# KiCad board CONTROLLER2.kicad_pcb
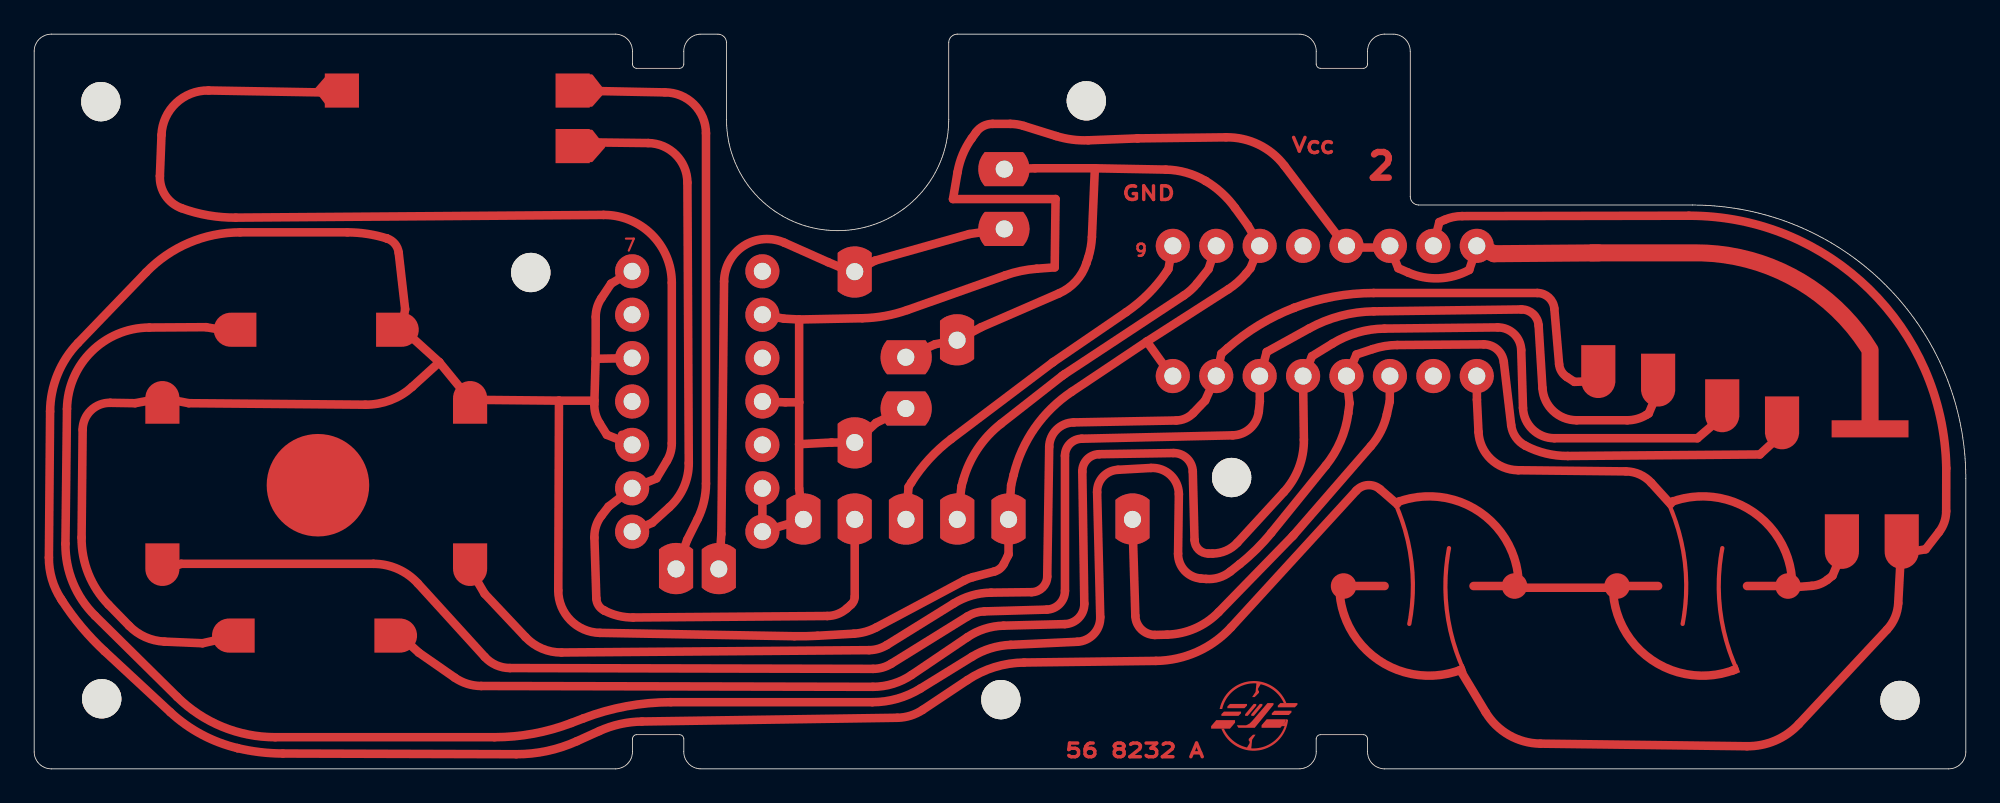
[diagram p0: board, top side]
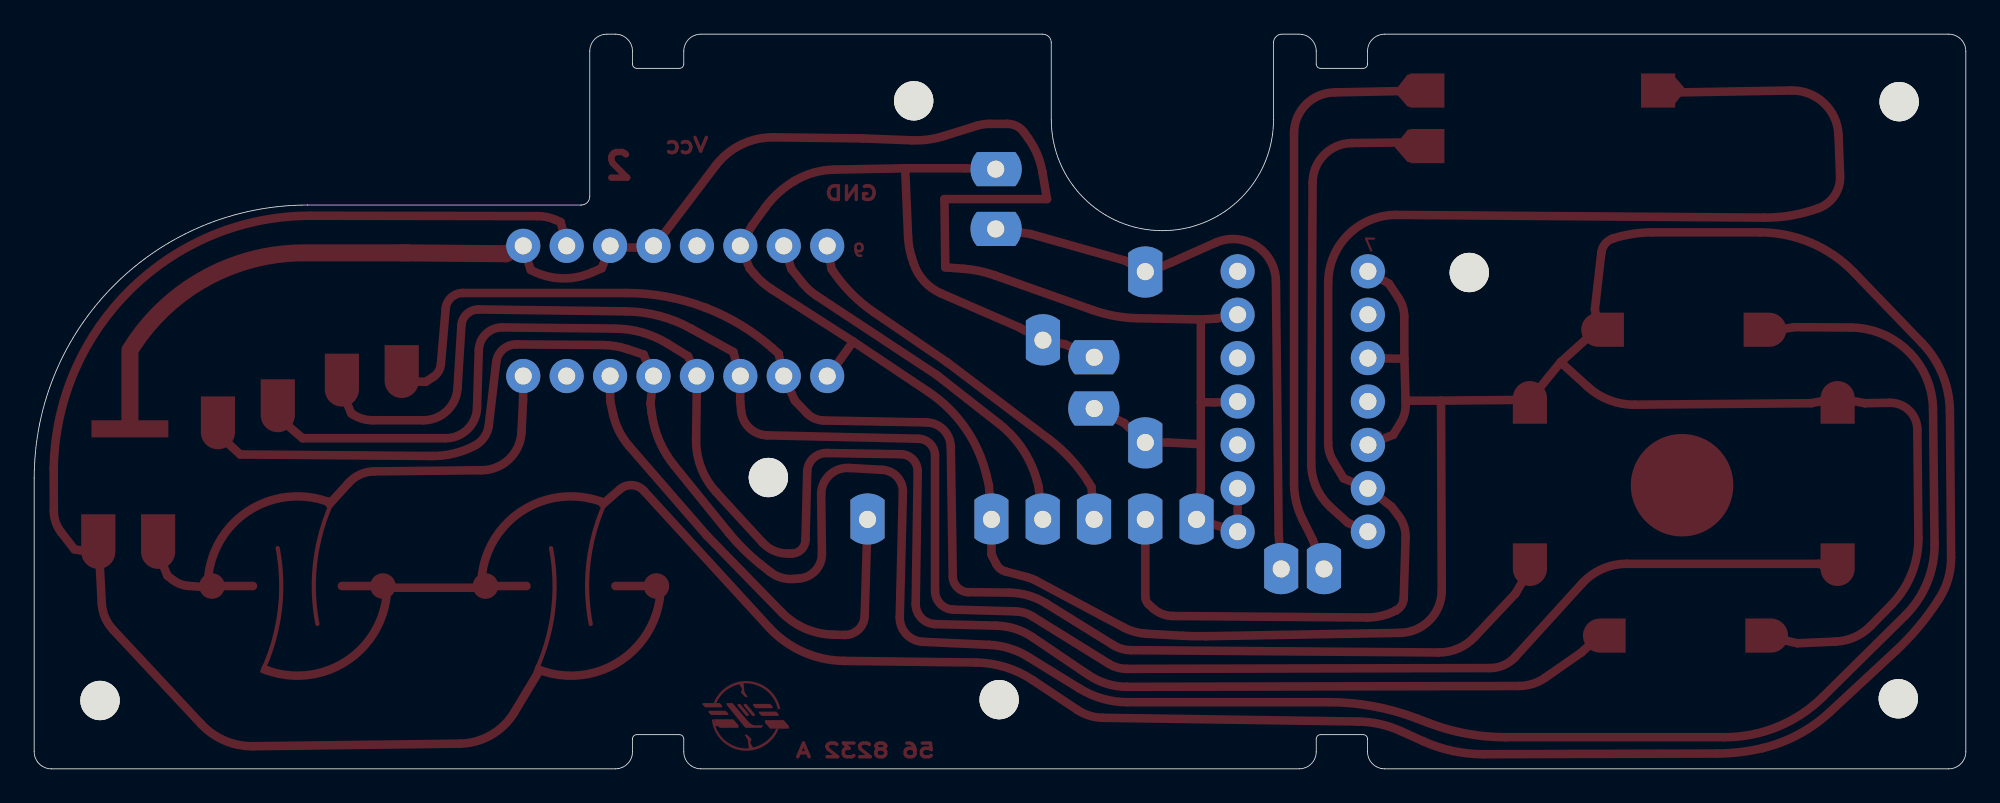
[diagram p1: board, bottom side, seen from below]

Outline 113 x 43 mm; copper layers: Top, Bottom. Coordinates in mm from the lower left corner of the outline.
Outline path: 0,42 0,1 arc(0.29,0.29) 1,0 34,0 arc(34.71,0.29) 35,1 35,1.75 arc(35.07,1.93) 35.25,2 37.75,2 arc(37.93,1.93) 38,1.75 38,1 arc(38.29,0.29) 39,0 74,0 arc(74.71,0.29) 75,1 75,1.75 arc(75.07,1.93) 75.25,2 77.75,2 arc(77.93,1.93) 78,1.75 78,1 arc(78.29,0.29) 79,0 112,0 arc(112.71,0.29) 113,1 113,17 arc(108.31,28.31) 97,33 81,33 arc(80.65,33.15) 80.5,33.5 80.5,42 arc(80.21,42.71) 79.5,43 79,43 arc(78.29,42.71) 78,42 78,41.25 arc(77.93,41.07) 77.75,41 75.25,41 arc(75.07,41.07) 75,41.25 75,42 arc(74.71,42.71) 74,43 54,43 arc(53.65,42.85) 53.5,42.5 53.5,38 arc(47,31.5) 40.5,38 40.5,42.5 arc(40.35,42.85) 40,43 39,43 arc(38.29,42.71) 38,42 38,41.25 arc(37.93,41.07) 37.75,41 35.25,41 arc(35.07,41.07) 35,41.25 35,42 arc(34.71,42.71) 34,43 1,43 arc(0.29,42.71) 0,42
Stack: Top 0.035mm / dielectric 1.51mm FR4 er 4.5 / Bottom 0.035mm

## Placement (name value [footprint] x y rotation side)
C1  0.33uF  [MIC_CAP]  40.05 11.7 90 top
C2  C  [BYPASS_CAP]  50.99 21.09 0 top  (not fitted)
H1  MountingHole  [HOLE]  3.9 39.05 0 top
H2  MountingHole  [HOLE]  3.95 4.1 0 top
H3  MountingHole  [HOLE]  29.05 29.05 0 top
H4  MountingHole  [HOLE]  56.55 4.05 0 top
H5  MountingHole  [HOLE]  61.55 39.1 0 top
H6  MountingHole  [HOLE]  70.05 17.05 0 top
H7  MountingHole  [HOLE]  109.15 4 0 top
MK1  Microphone_Condenser  [MIC]  56.75 35.1 180 top
R9  2.2k  [RESISTOR]  48 29.1 180 top
RN1  33k  [R_NETWORK]  91.5 30.2 0 top
RV1  120k  [POT]  24.75 39.7 0 top
SW1  Right  [BUTTON_DPAD]  25.5 16.7 270 top
SW2  Left  [BUTTON_DPAD]  7.5 16.7 270 top
SW3  Down  [BUTTON_DPAD]  16.4 7.8 0 top
SW4  Up  [BUTTON_DPAD]  16.5 25.7 180 top
SW7  B  [BUTTON_AB]  81.6 10.7 180 top
SW8  A  [BUTTON_AB]  97.6 10.7 0 top
TP1  BLUE  [PIN]  45 14.6 0 top
TP2  BROWN  [PIN]  48 14.6 0 top
TP3  YELLOW  [PIN]  51 14.6 0 top
TP4  WHITE  [PIN]  54 14.6 0 top
TP5  RED  [PIN]  57 14.6 0 top
TP6  ORANGE  [PIN]  64.25 14.6 0 top
U1  4021  [DIP16]  84.39 30.61 270 top
U2  4069  [DIP14]  42.6 13.88 180 top

## Library data of the parts
C1 = -: Description: Polarized capacitor; ki_fp_filters: CP_*
C2 = -: Description: Unpolarized capacitor; ki_fp_filters: C_*
H1-H7 = -: Description: Mounting Hole without connection; ki_fp_filters: MountingHole*
MK1 = -: Description: Condenser microphone
R9 = -: Description: Resistor; ki_fp_filters: R_*
RN1 = -: Datasheet: http://www.vishay.com/docs/31509/csc.pdf; Description: 6 resistor network, star topology, bussed resistors, small symbol; ki_fp_filters: R?Array?SIP*
RV1 = -: Description: Potentiometer; ki_fp_filters: Potentiometer*
SW1-SW4 SW7 SW8 = -: Description: Push button switch, generic, two pins
TP1-TP6 = -: Description: test point; ki_fp_filters: Pin* Test*
U1 = -: Datasheet: https://assets.nexperia.com/documents/data-sheet/HEF4021B.pdf; Description: 8-bit static shift register; ki_fp_filters: DIP*W7.62mm* SOIC*3.9x9.9mm*P1.27mm* TSSOP*4.4x5mm*P0.65mm* SOIC*5.3x10.2mm*P1.27mm*
U2 = -: Datasheet: http://www.intersil.com/content/dam/Intersil/documents/cd40/cd4069ubms.pdf; Description: Hex inverter; ki_fp_filters: DIP?14*

## Footprints (pads in the part's own frame, mm; a bottom-side part is the same pattern mirrored in y, then rotated)
BUTTON_AB
  custom 7.875x7.84 smd: 1(-5,0) 2(5,0)
  rect 0.5x0.5 smd rot 111: 1(1.875,-4.9) 2(-1.875,4.9)
BUTTON_DPAD
  custom 2.5x2 smd: 1(-5,0) 2(5,0)
BYPASS_CAP
  custom 3x2 hole 1: 1(0,0) 2(0,3)
  custom 2x3 hole 1: 2(3,4)
DIP14
  round 2 hole 1: 1(7.62,0) 2(7.62,-2.54) 3(7.62,-5.08) 4(7.62,-7.62) 5(7.62,-10.16) 6(7.62,-12.7) 7(7.62,-15.24) 8(0,-15.24) 9(0,-12.7) 10(0,-10.16) 11(0,-7.62) 12(0,-5.08) 13(0,-2.54) 14(0,0)
DIP16
  round 2 hole 1: 1(7.62,0) 2(7.62,-2.54) 3(7.62,-5.08) 4(7.62,-7.62) 5(7.62,-10.16) 6(7.62,-12.7) 7(7.62,-15.24) 8(7.62,-17.78) 9(0,-17.78) 10(0,-15.24) 11(0,-12.7) 12(0,-10.16) 13(0,-7.62) 14(0,-5.08) 15(0,-2.54) 16(0,0)
HOLE
  round 2.3 hole 2.3 unplated: (0,0)
MIC
  custom 3x2 hole 1: 1(0,0) 2(0,3.5)
MIC_CAP
  custom 3x2 hole 1: 1(0,0) 2(0,2.5)
PIN
  custom 2x3 hole 1: 1(0,0)
POT
  rect 2x2 smd: 1(-6.75,0) 2(6.75,-3.25) 3(6.75,0)
R_NETWORK
  custom 18.65x11.3 smd: 1(0,0)
  custom 2x3.1 smd: 2(0,-7.5) 3(3.5,-8) 4(7.25,-9.5) 5(10.75,-10.5)
  custom 2x3.2 smd: 6(14.25,-17.5) 7(17.75,-17.5)
RESISTOR
  custom 2x3 hole 1: 1(0,0) 2(0,10)

## Nets
+5V: C2.1 R9.2 RN1.1 TP1.1 U1.13 U1.14 U1.16 U2.9 U2.11 U2.13 U2.14
GND: C2.2 MK1.1 SW1.1 SW2.1 SW3.1 SW4.1 SW7.1 SW8.1 TP5.1 U1.8 U1.11 U2.3 U2.5 U2.7
4017_CUP: TP4.1 U1.10
4017_D0: TP6.1 U1.3
MIC_IN: RV1.1 TP2.1 U2.2
OUT0: TP3.1 U1.9
Net-(C1-Pad2): C1.2 RV1.3
Net-(MK1-+): C1.1 MK1.2 R9.1
Net-(RN1-R1): RN1.2 SW1.2 U1.7
Net-(RN1-R2): RN1.3 SW2.2 U1.6
Net-(RN1-R3): RN1.4 SW3.2 U1.5
Net-(RN1-R4): RN1.5 SW4.2 U1.4
Net-(RN1-R5): RN1.6 SW8.2 U1.1
Net-(RN1-R6): RN1.7 SW7.2 U1.15
Net-(RV1-Pad2): RV1.2 U2.1

Pads without a net: U1 2 12; U2 4 6 8 10 12

## Routing (per net, layer and track width the routed paths; a pad name or vN(x,y) marks a point on that pad's centre or on a via; arc(x,y) is an arc through that point)
+5V: length 99.3
  Top w0.5: 44.75,19 44.75,16.4 45,14.5 ; 44.75,19 44.75,21.45 ; 44.75,19 46.65,19.1 R9.2 49.25,20.25 C2.1 ; 44.75,21.45 44.75,26.3 ; 44.75,21.45 43.95,21.45 U2.11 ; 44.75,26.3 43.85,26.35 U2.9 ; 44.75,26.3 48.44,26.37 arc(49.78,26.51) 51.08,26.85 56.81,28.88 arc(57.71,29.14) 58.64,29.27 59.7,29.35 59.75,33.35 53.75,33.35 54.02,34.91 arc(54.32,35.95) 54.84,36.9 55.09,37.25 arc(55.52,37.62) 56.06,37.75 57.1,37.75 arc(57.5,37.72) 57.88,37.63 59.78,37.04 arc(60.71,36.83) 61.67,36.79 64.52,36.9 64.58,36.9 69.72,36.96 arc(71.63,36.54) 73.14,35.3 76.77,30.51 79.31,30.51 79.8,29.3 80.38,29.05 arc(82.18,28.71) 83.95,29.2 84.39,30.51 ; U2.13 U2.14 TP1.1
  Top w1: RN1.1 85.4,30.15 U1.16
GND: length 307.7
  Top w0.5: 30.7,21.55 32.77,21.55 ; 30.7,21.55 25.5,21.6 23.7,23.8 ; 30.7,21.55 30.66,10.45 arc(31.37,8.7) 33.1,7.96 44.48,7.76 arc(45.15,7.76) 45.82,7.79 47.95,7.91 arc(48.63,8.02) 49.27,8.28 54.41,11.02 arc(54.66,11.14) 54.91,11.22 56.17,11.55 arc(56.5,11.72) 56.73,12 57,12.55 57,14.5 57.15,16.6 57.3,17.21 arc(58.54,19.96) 60.69,22.07 65.09,25.01 ; 32.77,21.55 32.77,21.36 arc(32.84,20.77) 33.07,20.24 33.5,19.55 U2.3 34.39,19.55 ; 32.77,21.55 32.84,24 ; C2.2 52.7,24.85 C2.2 55.4,25.85 59.95,27.83 arc(60.94,28.54) 61.56,29.59 61.66,29.91 arc(61.81,30.51) 61.88,31.12 62.05,35.15 ; 34.74,23.8 U2.5 32.84,24 ; 62.05,35.15 66.2,35.07 arc(67.41,34.89) 68.53,34.41 arc(69.47,33.71) 70.25,32.84 71,31.8 U1.11 71.15,29.3 70.9,28.99 arc(70.41,28.49) 69.86,28.07 65.09,25.01 ; 62.05,35.15 58.55,35.15 MK1.1 ; 23.7,23.8 21.6,25.7 ; 23.7,23.8 22.12,22.36 arc(20.84,21.58) 19.37,21.31 9.05,21.4 SW2.1 5.9,21.4 4.44,21.42 arc(3.31,20.97) 2.83,19.86 2.77,13.54 arc(3.17,11.42) 4.35,9.61 5.55,8.37 arc(6.5,7.71) 7.62,7.45 9.85,7.35 11.4,7.7 ; SW4.1 21.7,26.9 21.32,30.2 arc(21.1,30.73) 20.63,31.04 20.63,31.05 arc(19.49,31.31) 18.32,31.4 12.05,31.4 arc(9.06,30.79) 6.55,29.06 2.57,24.93 arc(1.36,23.08) 0.93,20.92 0.86,12.37 arc(1.04,11.1) 1.57,9.94 1.65,9.82 arc(2.79,8.28) 4.12,6.89 7.96,3.32 arc(9.79,2.01) 11.89,1.21 11.89,1.21 arc(13.21,0.98) 14.54,0.9 28.2,0.86 arc(30.01,1.04) 31.74,1.61 33.06,2.21 arc(34.28,2.62) 35.55,2.77 50.49,2.99 arc(51.27,3.11) 51.98,3.45 54.59,5.2 arc(56.18,5.95) 57.91,6.22 65.62,6.32 arc(68.03,6.85) 70.02,8.29 77.34,16.28 arc(78.02,16.6) 78.74,16.36 79.72,15.5 ; 34.47,29.12 U2.7 33.75,28.4 33.18,27.55 arc(32.94,27.02) 32.85,26.45 32.84,24 ; 86.6,10.6 92.6,10.6 ; 65.09,25.01 66.61,22.89
4017_CUP: length 23.1
  Top w0.5: 54,14.5 54.25,16.55 54.34,16.87 arc(55.18,18.71) 56.56,20.2 60.14,23 arc(60.2,23.05) 60.27,23.09 67.25,27.71 arc(67.67,28.03) 68.03,28.42 68.7,29.25 U1.10
4017_D0: length 28.9
  Top w0.5: 79.31,22.89 79.3,21.5 79.13,20.75 arc(78.78,19.76) 78.19,18.89 73.69,13.69 arc(73.65,13.65) 73.61,13.61 69.29,9.17 arc(67.91,8.22) 66.28,7.85 65.56,7.84 arc(64.76,8.17) 64.42,8.96 64.25,14.5
MIC_IN: length 88.7
  Top w0.5: 17.71,39.58 10.2,39.7 arc(8.29,38.96) 7.45,37.1 7.35,34.7 arc(7.68,33.55) 8.61,32.82 arc(10.18,32.4) 11.79,32.26 33.3,32.42 arc(36.13,31.27) 37.3,28.45 37.3,19.05 arc(37.23,18.52) 37.01,18.02 36.4,17 U2.2 33.6,15.35 33.19,14.82 arc(32.87,14.21) 32.77,13.53 32.88,9.98 arc(33.01,9.57) 33.32,9.28 33.36,9.26 arc(34.18,8.96) 35.04,8.86 46.39,8.94 arc(47.01,9.06) 47.54,9.39 47.8,9.62 arc(47.95,9.82) 48,10.07 48,14.5
OUT0: length 23.4
  Top w0.5: 51,14.5 51.15,16.5 51.32,16.76 arc(52.37,18.14) 53.65,19.31 59.56,23.77 arc(59.6,23.8) 59.64,23.83 63.89,26.73 arc(65.19,27.81) 66.26,29.12 66.35,29.25 U1.9
Net-(C1-Pad2): length 35.4
  Top w0.5: 31.21,39.58 RV1.3 36.9,39.59 arc(38.6,38.89) 39.3,37.2 39.3,16.69 arc(39.18,15.63) 38.81,14.62 38.2,13.4 37.55,11.6
Net-(MK1-+): length 35.5
  Top w0.5: MK1.2 54.7,31.3 49.2,29.75 R9.1 ; 40.05,11.6 40.2,13.75 40.36,28.53 arc(41.51,30.61) 43.89,30.79 46.45,29.65 48,29
Net-(RN1-R1): length 85.3
  Top w0.5: SW1.2 26.35,10.25 28.74,7.71 arc(29.7,7.04) 30.85,6.81 48.84,6.95 arc(49.38,7.02) 49.88,7.25 53.8,9.68 arc(54.84,10.15) 55.98,10.31 58.35,10.34 arc(58.99,10.61) 59.26,11.25 59.38,18.84 arc(59.8,19.85) 60.81,20.28 66.81,20.39 arc(67.35,20.51) 67.81,20.83 68.5,21.55 U1.7 ; 69.15,22.89 69.45,24.3 69.82,24.62 arc(71.66,25.98) 73.7,26.98 73.7,26.98 arc(75.99,27.63) 78.36,27.85 87.93,27.85 arc(88.61,27.59) 88.93,26.94 89.21,23.69 arc(89.35,23.26) 89.66,22.93 90.1,22.65 RN1.2
Net-(RN1-R2): length 110.3
  Top w0.5: 7.5,11.6 8.6,12 19.85,12 arc(21.27,11.7) 22.45,10.85 26.36,6.55 arc(27.03,6.07) 27.83,5.9 49.08,5.85 arc(49.63,5.93) 50.14,6.15 54.59,8.92 arc(55.07,9.13) 55.59,9.22 59.23,9.32 arc(59.99,9.65) 60.3,10.42 60.3,18.32 arc(60.58,19.02) 61.28,19.32 70.11,19.52 arc(71.14,19.94) 71.64,20.93 71.7,21.5 71.69,22.89 72.1,24.4 74.58,25.77 arc(76.41,26.51) 78.37,26.78 87,26.89 arc(87.69,26.62) 88.01,25.95 88.23,22.28 arc(88.86,20.94) 90.23,20.4 93.19,20.4 arc(93.78,20.48) 94.32,20.72 94.45,20.8 95,22.1
Net-(RN1-R3): length 107.4
  Top w0.5: SW3.2 22.5,6.8 24.6,5.34 arc(25.34,4.97) 26.15,4.85 49.06,4.8 arc(50.25,4.98) 51.33,5.49 54.59,7.7 arc(55.6,8.19) 56.71,8.38 60.29,8.47 arc(61.11,8.83) 61.43,9.66 61.32,17.4 arc(61.6,18.11) 62.3,18.42 66.64,18.48 arc(67.43,18.17) 67.78,17.39 67.88,13.39 arc(68.12,12.83) 68.69,12.6 68.93,12.6 arc(69.73,12.77) 70.39,13.24 73.1,16.2 arc(73.98,17.62) 74.28,19.27 74.23,22.89 74.75,24.15 75.95,24.89 arc(77.41,25.53) 79,25.77 85.61,25.84 arc(86.57,25.46) 86.99,24.51 87.1,21.13 arc(87.65,19.87) 88.93,19.35 97.3,19.35 98.75,20.6
Net-(RN1-R4): length 154.8
  Top w0.5: 102.25,19.6 100.95,18.4 89.72,18.31 arc(88.44,18.46) 87.23,18.92 arc(86.67,19.42) 86.4,20.12 85.97,23.8 arc(85.58,24.55) 84.79,24.84 79.74,24.81 arc(79.01,24.74) 78.3,24.57 77.35,24.25 76.77,22.89 76.95,21.4 76.87,20.82 arc(76.43,19.19) 75.56,17.75 72.37,13.81 arc(71.5,12.85) 70.53,11.99 69.97,11.54 arc(69.31,11.19) 68.56,11.11 68.24,11.14 arc(67.29,11.61) 66.92,12.6 66.96,16.08 arc(66.48,17.19) 65.33,17.61 63.41,17.5 arc(62.53,17.1) 62.18,16.19 62.37,8.89 arc(61.99,7.89) 61.02,7.44 57.12,7.26 arc(55.95,7.05) 54.86,6.56 51.84,4.7 arc(50.49,4.1) 49.03,3.9 37.25,3.9 arc(34.64,3.66) 32.12,2.95 31.42,2.68 arc(29.21,2.06) 26.93,1.85 14.11,1.85 arc(11,2.46) 8.36,4.21 3.56,8.96 arc(2.27,10.89) 1.83,13.17 1.92,21.07 arc(3.36,24.43) 6.73,25.83 10.05,25.85 11.5,25.6
Net-(RN1-R5): length 20.6
  Top w0.5: 102.6,10.6 103.99,10.71 arc(104.47,10.82) 104.9,11.07 105.2,11.3 105.75,12.6 ; 95.72,15.5 94.6,16.74 arc(93.92,17.23) 93.11,17.41 86.81,17.48 arc(85.21,18.13) 84.49,19.71 84.4,21.6 84.39,22.89
Net-(RN1-R6): length 80.4
  Top w0.5: 83.47,5.7 84.91,3.31 arc(86.27,1.98) 88.11,1.47 100.19,1.32 arc(101.85,1.65) 103.23,2.62 108.39,8.15 arc(108.86,8.86) 109.05,9.69 109.2,12.6 110.65,12.85 111.43,13.86 arc(111.74,14.44) 111.85,15.08 111.86,17.6 arc(107.35,28.07) 96.8,32.37 83.54,32.35 arc(83.01,32.3) 82.51,32.14 82.2,32 U1.15
Net-(RV1-Pad2): length 29.3
  Top w0.5: 35.5,14.4 U2.1 36.15,14.4 37.15,15.31 arc(38,16.48) 38.29,17.9 38.21,34.32 arc(37.54,35.94) 35.92,36.63 32.91,36.66

## Copper pours and planes (outline as drawn; the poured copper is in the pictures)
MIC_IN on Top (solid shape): 16.5,39.75 17.2,38.85 17.9,38.85 17.9,40.55 17.2,40.55
Net-(C1-Pad2) on Top (solid shape): 33.3,39.65 32.6,40.55 31.9,40.55 31.9,38.85 32.6,38.85
Net-(RV1-Pad2) on Top (solid shape): 33.3,36.41 32.6,37.31 31.9,37.31 31.9,35.61 32.6,35.61

Small or netless copper shapes (teardrops, artwork), in the pictures only: 11 on Top

## Text on the board
Top: 56 8232 A | GND | V_{CC} | 2
